# Altium PCB MB1397.PcbDoc (part 2 of 11)
Units mm, origin at the board's own origin, x right, y up, seen from the top; angles counter-clockwise.
Board outline 118.24 x 172.86 mm, 6 copper layers (Top Layer, L2_GND, L3_VCC, L4_SIG, L5_GND, Bottom Layer), stack 1.631 mm thick; 819 components, 632 nets, 2875 pads, 1523 vias.
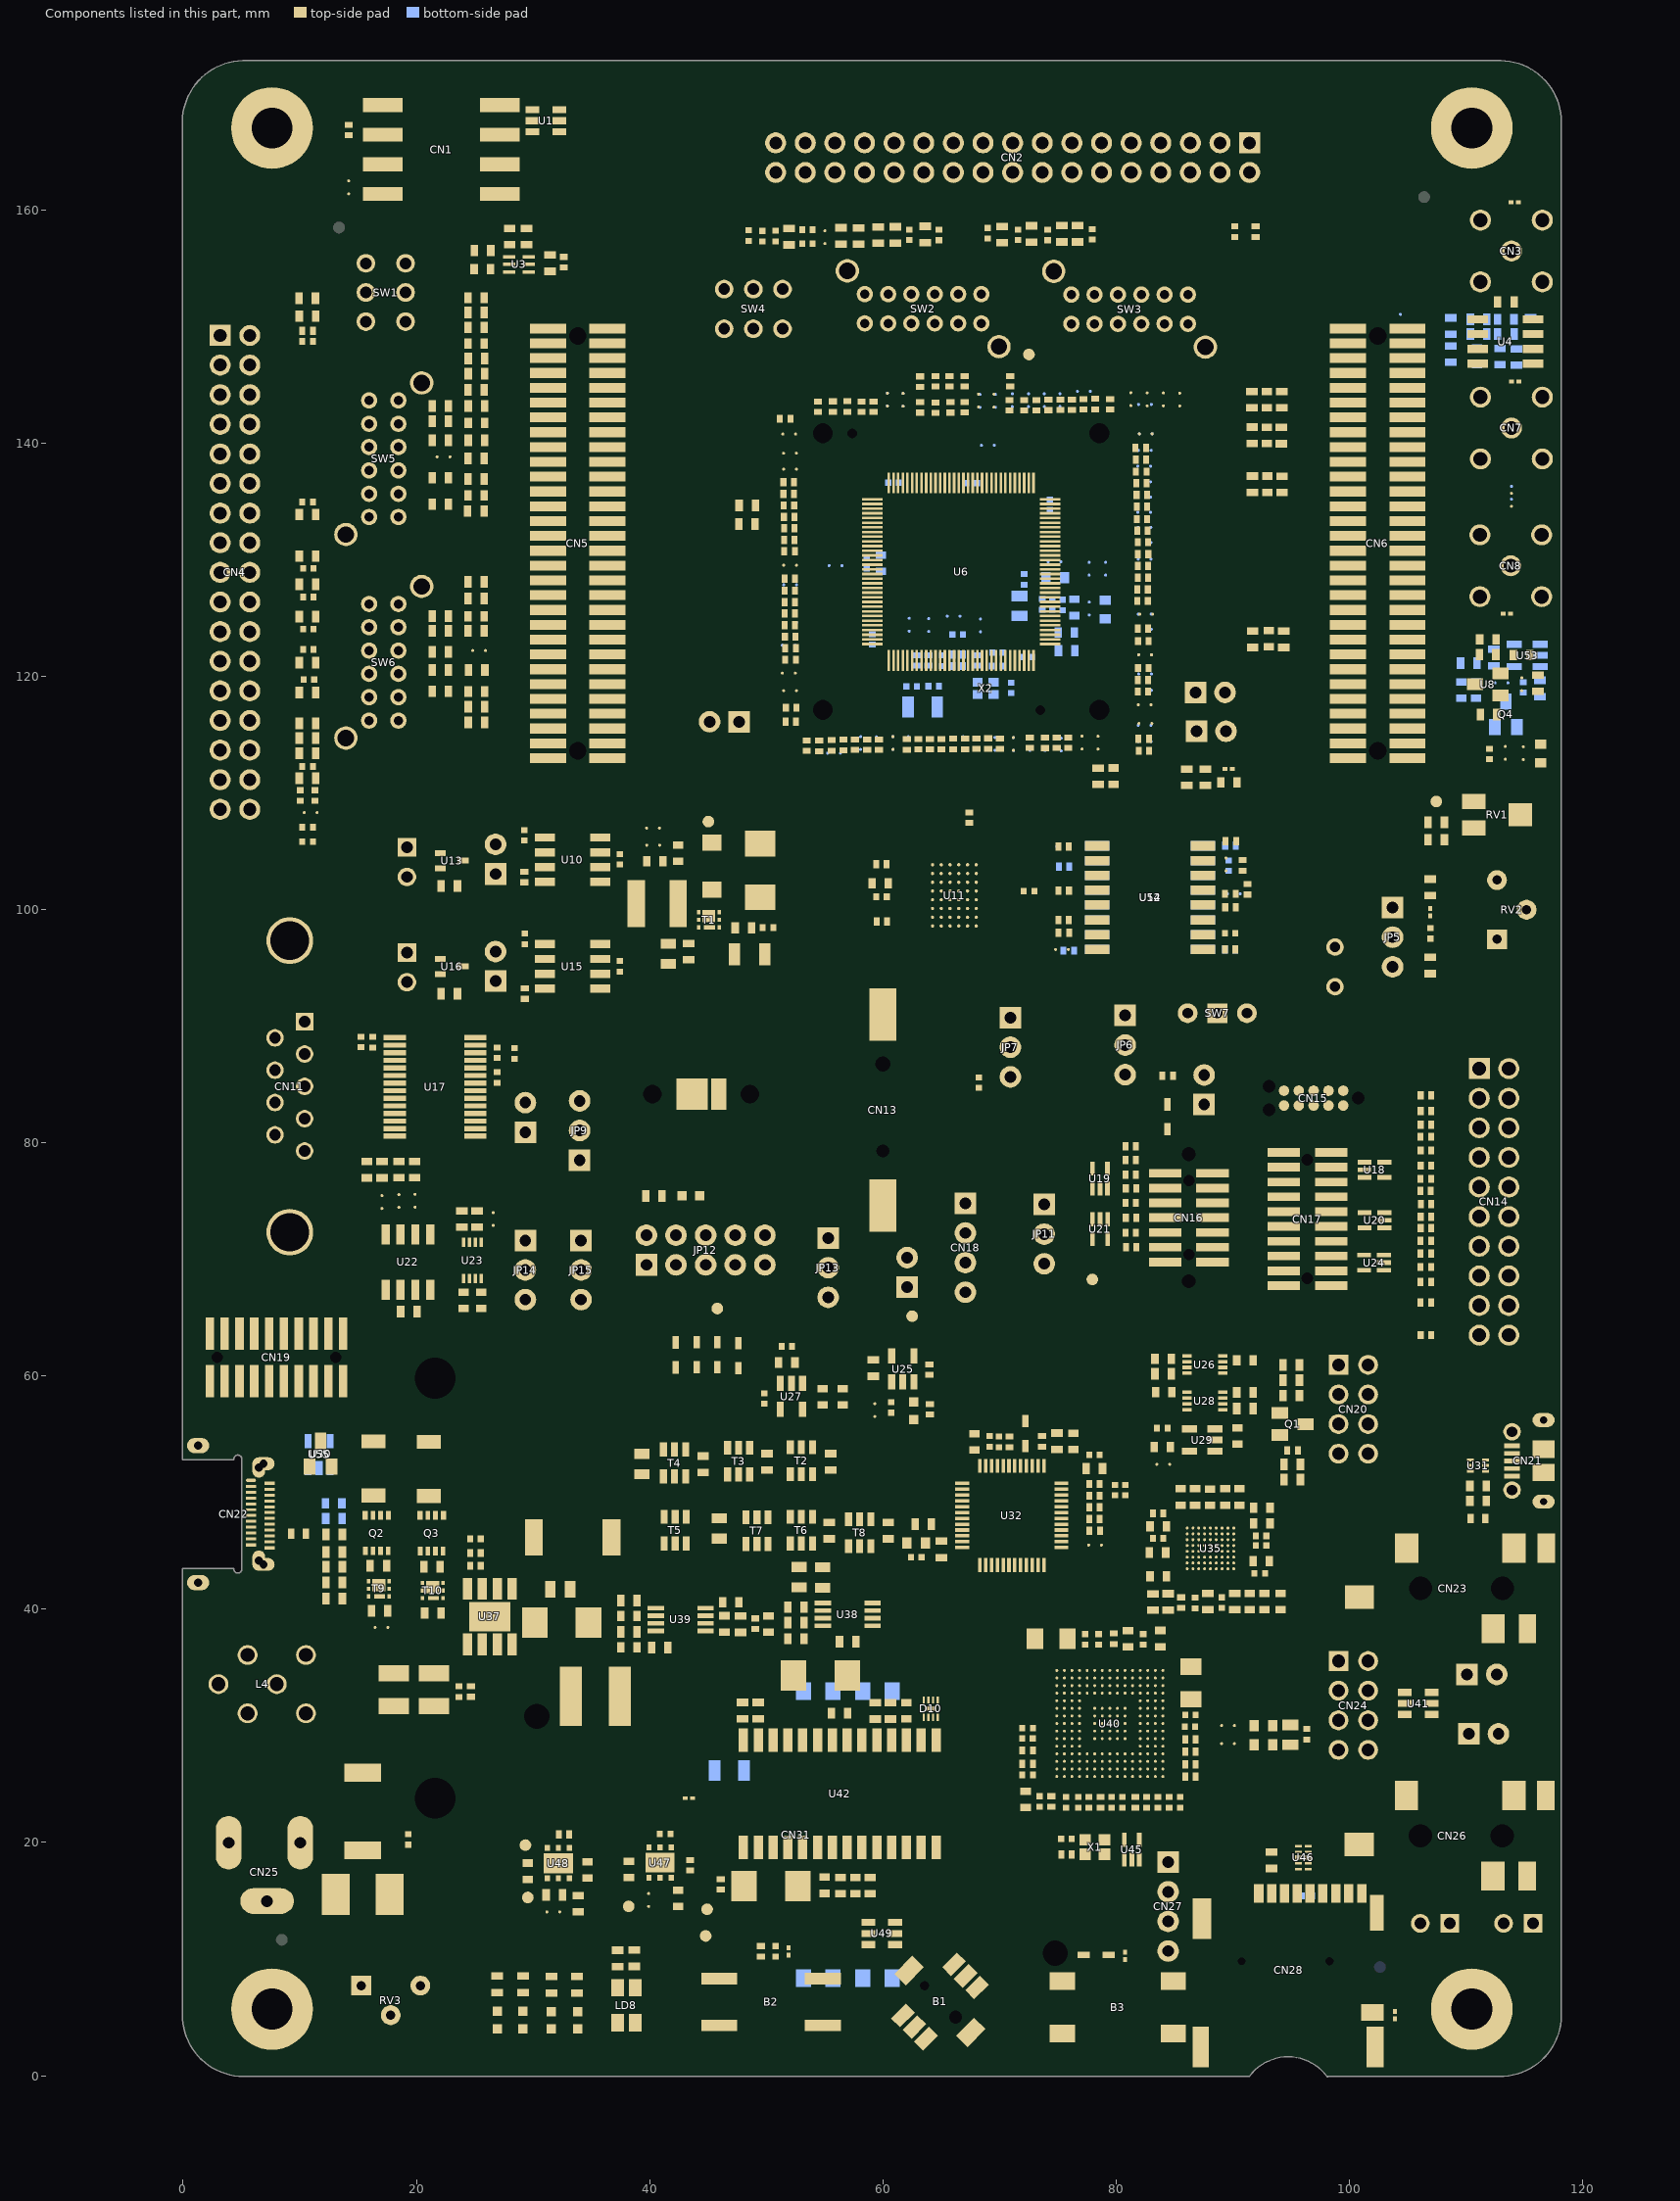
[diagram p6: the components of this part, seen from the top]

## Components (designator, comment, footprint, x,y, rotation, side; value= is the part's Value field where it differs from the comment) (continued)
SB27 "SB_ON" SOLDER-BRIDGE_R0603-0R 78.435,114.254 r90 top
SB28 "SB_ON" SOLDER-BRIDGE_R0603-0R 60.858,114.224 r90 top
SB29 "SB_ON" SOLDER-BRIDGE_R0603-0R 71.179,114.152 r90 top
SB30 "SB_OFF" SOLDER-BRIDGE_R0603-0R 113.365,113.379 r90 top
SB31 "SB_ON" SOLDER-BRIDGE_R0603-0R 114.907,113.36 r90 top
SB32 "SB_OFF" SOLDER-BRIDGE_R0603-0R 10.885,108.312 r0 top
SB33 "SB_ON" SOLDER-BRIDGE_R0603-0R 40.342,106.977 r180 top
SB34 "SB_ON" SOLDER-BRIDGE_R0603-0R 40.35,105.518 r180 top
SB35 "SB_ON" SOLDER-BRIDGE_R0603-0R 89.418,103.912 r270 top
SB36 "SB_OFF" SOLDER-BRIDGE_R0603-0R 75.301,96.572 r0 top
SB37 "SB_OFF" SOLDER-BRIDGE_R0603-0R 19.88,74.977 r90 top
SB38 "SB_OFF" SOLDER-BRIDGE_R0603-0R 17.044,74.962 r270 top
SB39 "SB_OFF" SOLDER-BRIDGE_R0603-0R 18.501,74.957 r90 top
SB40 "SB_ON" SOLDER-BRIDGE_R0603-0R 26.579,73.512 r270 top
SB41 "SB_ON" SOLDER-BRIDGE_R0603-0R 59.306,57.116 r270 top
SB42 "SB_ON" SOLDER-BRIDGE_R0603-0R 84.083,52.433 r180 top
SB43 "SB_ON" SOLDER-BRIDGE_R0603-0R 78.14,45.502 r0 top
SB44 "SB_ON" SOLDER-BRIDGE_R0603-0R 17.048,38.439 r180 top
SB45 "SB_OFF" SOLDER-BRIDGE_R0603-0R 89.535,30.023 r0 top
SB46 "SB_ON" SOLDER-BRIDGE_R0603-0R 89.535,28.473 r0 top
SB47 "SB_ON" SOLDER-BRIDGE_R0603-0R 39.912,15.117 r270 top
SB48 "SB_ON" SOLDER-BRIDGE_R0603-0R 31.687,14.05 r0 top
SB49 "SB_OFF" SOLDER-BRIDGE_R0603-0R 104.369,150.535 r270 bottom
SB50 "SB_OFF" SOLDER-BRIDGE_R0603-0R 99.795,150.035 r180 bottom
SB51 "SB_OFF" SOLDER-BRIDGE_R0603-0R 31.285,149.811 r0 bottom
SB52 "SB_OFF" SOLDER-BRIDGE_R0603-0R 31.285,145.999 r0 bottom
SB53 "SB_OFF" SOLDER-BRIDGE_R0603-0R 60.376,143.78 r270 bottom
SB54 "SB_OFF" SOLDER-BRIDGE_R0603-0R 61.721,143.751 r270 bottom
SB55 "SB_OFF" SOLDER-BRIDGE_R0603-0R 77.27,144.424 r180 bottom
SB56 "SB_OFF" SOLDER-BRIDGE_R0603-0R 75.183,143.723 r270 bottom
SB57 "SB_OFF" SOLDER-BRIDGE_R0603-0R 73.831,143.716 r270 bottom
SB58 "SB_OFF" SOLDER-BRIDGE_R0603-0R 72.479,143.716 r270 bottom
SB59 "SB_OFF" SOLDER-BRIDGE_R0603-0R 71.096,143.716 r270 bottom
SB60 "SB_OFF" SOLDER-BRIDGE_R0603-0R 69.647,143.664 r270 bottom
SB61 "SB_OFF" SOLDER-BRIDGE_R0603-0R 68.328,143.664 r270 bottom
SB62 "SB_OFF" SOLDER-BRIDGE_R0603-0R 36.449,143.637 r0 bottom
SB63 "SB_OFF" SOLDER-BRIDGE_R0603-0R 82.514,143.307 r180 bottom
SB64 "SB_OFF" SOLDER-BRIDGE_R0603-0R 31.371,142.24 r0 bottom
SB65 "SB_OFF" SOLDER-BRIDGE_R0603-0R 104.275,141.521 r270 bottom
SB66 "SB_OFF" SOLDER-BRIDGE_R0603-0R 36.448,142.113 r0 bottom
SB67 "SB_OFF" SOLDER-BRIDGE_R0603-0R 99.792,141.145 r180 bottom
SB68 "SB_OFF" SOLDER-BRIDGE_R0603-0R 31.343,140.891 r0 bottom
SB69 "SB_OFF" SOLDER-BRIDGE_R0603-0R 82.578,140.788 r180 bottom
SB70 "SB_OFF" SOLDER-BRIDGE_R0603-0R 68.941,139.802 r0 bottom
SB71 "SB_OFF" SOLDER-BRIDGE_R0603-0R 99.865,139.649 r0 bottom
SB72 "SB_OFF" SOLDER-BRIDGE_R0603-0R 82.499,139.37 r180 bottom
SB73 "SB_OFF" SOLDER-BRIDGE_R0603-0R 82.449,138.016 r180 bottom
SB74 "SB_OFF" SOLDER-BRIDGE_R0603-0R 82.445,136.679 r180 bottom
SB75 "SB_ON" SOLDER-BRIDGE_R0603-0R 113.891,135.677 r90 bottom
SB76 "SB_OFF" SOLDER-BRIDGE_R0603-0R 82.45,135.357 r180 bottom
SB77 "SB_OFF" SOLDER-BRIDGE_R0603-0R 82.449,134.061 r180 bottom
SB78 "SB_OFF" SOLDER-BRIDGE_R0603-0R 82.467,132.766 r180 bottom
SB79 "SB_OFF" SOLDER-BRIDGE_R0603-0R 82.467,131.47 r180 bottom
SB80 "SB_OFF" SOLDER-BRIDGE_R0603-0R 105.002,130.858 r180 bottom
SB81 "SB_OFF" SOLDER-BRIDGE_R0603-0R 68.351,124.411 r270 bottom
SB82 "SB_OFF" SOLDER-BRIDGE_R0603-0R 66.107,125.146 r180 bottom
SB83 "SB_OFF" SOLDER-BRIDGE_R0603-0R 82.479,130.046 r180 bottom
SB84 "SB_ON" SOLDER-BRIDGE_R0603-0R 79.096,129.167 r90 bottom
SB85 "SB_OFF" SOLDER-BRIDGE_R0603-0R 77.673,129.167 r90 bottom
SB86 "SB_OFF" SOLDER-BRIDGE_R0603-0R 74.762,129.809 r180 bottom
SB87 "SB_OFF" SOLDER-BRIDGE_R0603-0R 63.929,124.437 r270 bottom
SB88 "SB_OFF" SOLDER-BRIDGE_R0603-0R 62.255,124.368 r90 bottom
SB89 "SB_OFF" SOLDER-BRIDGE_R0603-0R 51.997,127.838 r0 bottom
SB90 "SB_OFF" SOLDER-BRIDGE_R0603-0R 77.679,125.755 r90 bottom
SB91 "SB_OFF" SOLDER-BRIDGE_R0603-0R 82.498,125.324 r180 bottom
SB92 "SB_OFF" SOLDER-BRIDGE_R0603-0R 51.994,124.612 r0 bottom
SB93 "SB_OFF" SOLDER-BRIDGE_R0603-0R 99.955,124.536 r180 bottom
SB94 "SB_OFF" SOLDER-BRIDGE_R0603-0R 82.507,124.028 r180 bottom
SB95 "SB_OFF" SOLDER-BRIDGE_R0603-0R 104.875,123.111 r180 bottom
SB96 "SB_ON" SOLDER-BRIDGE_R0603-0R 51.972,122.657 r180 bottom
SB97 "SB_OFF" SOLDER-BRIDGE_R0603-0R 31.375,122.125 r0 bottom
SB98 "SB_OFF" SOLDER-BRIDGE_R0603-0R 99.921,121.971 r180 bottom
SB99 "SB_OFF" SOLDER-BRIDGE_R0603-0R 36.398,121.895 r0 bottom
SB100 "SB_OFF" SOLDER-BRIDGE_R0603-0R 82.522,121.841 r180 bottom
SB101 "SB_OFF" SOLDER-BRIDGE_R0603-0R 82.522,120.19 r180 bottom
SB102 "SB_OFF" SOLDER-BRIDGE_R0603-0R 112.983,119.428 r0 bottom
SB103 "SB_OFF" SOLDER-BRIDGE_R0603-0R 36.296,119.304 r0 bottom
SB104 "SB_OFF" SOLDER-BRIDGE_R0603-0R 82.522,118.793 r180 bottom
SB105 "SB_OFF" SOLDER-BRIDGE_R0603-0R 82.474,115.789 r180 bottom
SB106 "SB_OFF" SOLDER-BRIDGE_R0603-0R 104.965,115.521 r180 bottom
SB107 "SB_ON" SOLDER-BRIDGE_R0603-0R 60.858,114.224 r90 bottom
SB108 "SB_OFF" SOLDER-BRIDGE_R0603-0R 66.878,114.215 r90 bottom
SB109 "SB_OFF" SOLDER-BRIDGE_R0603-0R 62.186,114.215 r90 bottom
SB110 "SB_ON" SOLDER-BRIDGE_R0603-0R 58.09,114.213 r90 bottom
SB111 "SB_ON" SOLDER-BRIDGE_R0603-0R 59.446,114.203 r90 bottom
SB112 "SB_OFF" SOLDER-BRIDGE_R0603-0R 69.604,114.157 r90 bottom
SB113 "SB_OFF" SOLDER-BRIDGE_R0603-0R 72.603,114.15 r90 bottom
SB114 "SB_OFF" SOLDER-BRIDGE_R0603-0R 73.889,114.138 r90 bottom
SB115 "SB_OFF" SOLDER-BRIDGE_R0603-0R 71.196,114.136 r90 bottom
SB116 "SB_OFF" SOLDER-BRIDGE_R0603-0R 75.283,114.096 r90 bottom
SB117 "SB_OFF" SOLDER-BRIDGE_R0603-0R 82.489,114.387 r180 bottom
SB118 "SB_OFF" SOLDER-BRIDGE_R0603-0R 55.753,113.411 r0 bottom
SB119 "SB_ON" SOLDER-BRIDGE_R0603-0R 75.497,105.408 r180 bottom
SB120 "SB_OFF" SOLDER-BRIDGE_R0603-0R 90.135,101.349 r180 bottom
SB121 "SB_ON" SOLDER-BRIDGE_R0603-0R 7.338,63.548 r90 bottom
SB122 "SB_ON" SOLDER-BRIDGE_R0603-0R 7.62,59.881 r90 bottom
SB123 "SB_ON" SOLDER-BRIDGE_R0603-0R 55.88,129.487 r0 bottom
SW1 "SWITCH_MS-22D16" SWI_DHS-ELECTRONICS_MS-22D16_2P2T 17.367,152.907 r270 top
SW2 "SWITCH_SS42D02" SWI_DHS-ELECTRONICS_SS42D02_4P2T 63.446,151.512 r0 top
SW3 "SWITCH_SS42D02" SWI_DHS-ELECTRONICS_SS42D02_4P2T 81.146,151.472 r0 top
SW4 "SWITCH_MS-22D16" SWI_DHS-ELECTRONICS_MS-22D16_2P2T 48.889,151.492 r0 top
SW5 "SWITCH_SS42D02" SWI_DHS-ELECTRONICS_SS42D02_4P2T 17.2,138.65 r90 top
SW6 "SWITCH_SS42D02" SWI_DHS-ELECTRONICS_SS42D02_4P2T 17.201,121.202 r90 top
SW7 "SW_MECA_1K2" SWI_EAO_09-03290-01_EXTENDED_STRAIGHT_BLACK 88.666,91.107 r90 top
T1 "STL6N2VH5" MOS_POWERFLAT_2X2_P065 45.075,99.114 r270 top
T2 "STT7P2UH7" MOS_SOT23-6L 53.001,52.734 r0 top
T3 "STT7P2UH7" MOS_SOT23-6L 47.625,52.705 r0 top
T4 "STT7P2UH7" MOS_SOT23-6L 42.126,52.539 r0 top
T5 "STT7P2UH7" MOS_SOT23-6L 42.184,46.78 r0 top
T6 "STT7P2UH7" MOS_SOT23-6L 53.007,46.777 r0 top
T7 "STT7P2UH7" MOS_SOT23-6L 49.2,46.735 r0 top
T8 "STT7P2UH7" MOS_SOT23-6L 58.001,46.559 r0 top
T9 "STL6N2VH5" MOS_POWERFLAT_2X2_P065 16.789,41.758 r270 top
T10 "STL6N2VH5" MOS_POWERFLAT_2X2_P065 21.408,41.613 r270 top
TP1 "Test Point" TP_SMD_1MM 72.517,147.588 r90 top
TP2 "Test Point" TP_SMD_1MM 107.442,109.258 r180 top
TP3 "Test Point" TP_SMD_1MM 45.028,107.536 r270 top
TP4 "Test Point" TP_SMD_1MM 77.948,68.278 r270 top
TP5 "Test Point" TP_SMD_1MM 45.799,65.786 r180 top
TP6 "Test Point" TP_SMD_1MM 62.503,65.125 r270 top
TP7 "Test Point" TP_SMD_1MM 29.35,19.774 r0 top
TP8 "Test Point" TP_SMD_1MM 29.55,15.284 r0 top
TP9 "Test Point" TP_SMD_1MM 38.199,14.526 r180 top
TP10 "Test Point" TP_SMD_1MM 44.93,14.272 r270 top
TP11 "Test Point" TP_SMD_1MM 44.803,11.986 r270 top
U1 "USBLC6-2SC6" ESD_SOT23-6L 31.097,167.627 r90 top
U2 "ESD-TRANSIL-BIDIR" ESD_ST0201 114.173,160.655 r0 top
U3 "STTS751-0DP3F" ICC_UDFN6_2X2_P065 28.782,155.321 r270 top
U4 "TSH82IDT" ICC_SO8_5X4_P127 113.36,148.702 r90 top
U5 "ESD-TRANSIL-BIDIR" ESD_ST0201 114.195,145.288 r0 top
U6 "​Please validate the IC position on the socket (pin1) not mention on the datasheet. / Eric: please add pin1 outside of socket to show MCU Pin1" ICC_LQFP128_14X14_P040_SOCKET_IRONWOOD_SG-QFE-7011MF 66.703,128.966 r90 top locked
U7 "ESD-TRANSIL-BIDIR" ESD_ST0201 113.503,125.349 r180 top
U8 "TS432AILT" ICC_SOT23-3L_H1P12 111.859,119.301 r90 top
U9 "ESD-TRANSIL" ESD_ST0201 89.634,112.042 r0 top
U10 "MCP2562FD" ICC_SO8_5X4_P127 33.386,104.266 r90 top
U11 "IS61WV51216BLL-10MLI" ICC_MINI-BGA48_9X11_P075 66.124,101.21 r180 top locked
U12 "MT25QL512ABB8ESF-0SIT" ICC_SOP2-SF_16P_10P3X7P5_P127 82.904,101.014 r90 top
U13 "ESD-TRANSIL-DUAL-BIDIR" DIO_SOT323 23.024,104.185 r270 top
U14 "ESD-TRANSIL" ESD_ST0201 106.934,99.772 r90 top
U15 "MCP2562FD" ICC_SO8_5X4_P127 33.386,95.124 r90 top
U16 "ESD-TRANSIL-DUAL-BIDIR" DIO_SOT323 23.023,95.124 r270 top
U17 "ST3241EBPR" ICC_SSOP28_10P2X5P3_P065 21.59,84.788 r270 top
U18 "ESDALC6V1W5" ESD_SOT323-5L 102.137,77.676 r270 top
U19 "ESDALC6V1W5" ESD_SOT323-5L 78.606,76.927 r0 top
U20 "ESDALC6V1W5" ESD_SOT323-5L 102.141,73.358 r90 top
U21 "ESDALC6V1W5" ESD_SOT323-5L 78.613,72.596 r180 top
U22 "ST3485EBDR" ICC_SO8_5X4_P127 19.272,69.766 r0 top
U23 "SN74LVC2T45DCUT" ICC_VSSOP8_DCU_R-PDSO-G8_2X2P30_P050 24.801,69.922 r180 top
U24 "ESDALC6V1W5" ESD_SOT323-5L 102.108,69.719 r90 top
U25 "STMPS2151STR" MOS_SOT23-5L 61.703,60.606 r0 top
U26 "SN74LVC2T45DCUT" ICC_VSSOP8_DCU_R-PDSO-G8_2X2P30_P050 87.601,60.985 r270 top
U27 "LD3985M33R" REG_SOT23-5L 52.154,58.252 r180 top
U28 "SN74LVC2T45DCUT" ICC_VSSOP8_DCU_R-PDSO-G8_2X2P30_P050 87.602,57.866 r270 top
U29 "LD3985M18R" REG_SOT23-5L 87.364,54.509 r90 top
U30 "ESDAxxL" ESD_SOT23 11.783,53.34 r0 top
U31 "ECMF02-2AMX6" ESD_QFN-6L_1P7X1P5_P050 111.004,52.316 r270 top
U32 "STM32L152CCT6" ICC_LQFP48_7X7_P050 71.057,48.042 r180 top
U33 "ESD-TRANSIL" DIO_SMC_DO214-AB_1K_2A 33.401,46.162 r180 top
U34 "ESD-TRANSIL" ESD_QFN2_1P6X1_P125 111.027,47.778 r180 top
U35 "WM8994ECS/R" ICC_W-CSP-BGA72_4P511X4P023_P050 88.077,45.216 r0 top
U36 "ESD-TRANSIL" ESD_QFN1610_2N_1K_2A 9.906,46.482 r0 top
U37 "ST1S41" ICC_HSOP8-EPAD_3P90X4P90_P127 26.289,39.361 r270 top
U38 "TSZ122IST" ICC_MINISO8_3X3_P065 56.973,39.565 r270 top
U39 "TSZ122IST" ICC_MINISO8_3X3_P065 42.655,39.115 r90 top
U40 "ST-LINKV3E_SWD" ICC_UFBGA201_176+25_10X10_P065 79.455,30.203 r90 top locked
U41 "ESDA6V1BC6" ESD_SOT23-6L 105.89,31.925 r270 top
U42 "ST8024CTR" ICC_SO28_18P10X7P60_P127 56.298,24.175 r0 top
U43 "ESD-TRANSIL" DIO_SMC_DO214-AB_1K_2A 15.397,22.649 r90 top
U44 "ESD-TRANSIL" ESD_ST0201 43.355,23.8 r0 top
U45 "ESDALC6V1W5" ESD_SOT323-5L 81.336,19.386 r0 top
U46 "HSP051-4M10" ESD_UQFN-10L_2P5X1_P050 96.042,18.699 r90 top
U47 "ST1L05CPU33R" ICC_DFN6-EPAD_3X3_P095 40.892,18.277 r180 top
U48 "ST1L05BPUR" ICC_DFN6-EPAD_3X3_P095 32.166,18.224 r180 top
U49 "ESDA6V1-5SC6" ESD_SOT23-6L 59.899,12.192 r90 top
U50 "ESD-TRANSIL" ESD_ST0201 51.914,10.668 r90 top
U51 "ESD-TRANSIL" ESD_ST0201 80.767,10.27 r90 top
U52 "ESD-TRANSIL" ESD_ST0201 103.886,5.207 r90 top
U53 "TL1431ACL5T" ICC_SOT23-5L_H1P45 115.241,121.793 r270 bottom
U54 "MT25QL512ABB8ESF-0SIT" ICC_SOP2-SF_16P_10P3X7P5_P127 82.904,101.014 r270 bottom
U55 "USBLC6-2SC6" ESD_SOT23-6L 11.656,53.261 r0 bottom
X1 "OSCILLATOR_4_PINS" OSC_NDK_NZ2520SB_4P 78.163,19.606 r0 top
X2 "XTAL_4_PINS" CRY_NX2016SA_4P 68.809,118.974 r180 bottom
X3 "XTAL_2_PINS" CRY_NX3215SA_2P 63.403,117.376 r180 bottom

## Footprints (in the part's own frame and the unit in brackets; to place one, negate y for a bottom-side part, rotate by r counter-clockwise, add the part's x,y. Pads: shape width x height; smd on the part's side, far side on the other; paste and mask are expansions set on the pad)
BAT_HARWIN_S8411-45R_SMD_2P [mm] "CR1220 HOLDER"
  rect 4.5x2.3 smd mask+0.05: 1(8.2,0) 2(-8.2,0)
  round 0 hole 1.1 unplated mask+0.05: NPTH1(-3.5,0)
  round 0 hole 1.3 unplated mask+0.05: NPTH2(3.95,0)
  silkscreen extent -9.03,-7.5 9.62,7.5, body extent -8.93,-7.5 9.88,7.5, height 4.31
C0402 [mm]
  rect 0.51x0.56 smd mask+0.05: 1(-0.45,0) 2(0.45,0)
  silkscreen extent -0.72,-0.35 0.72,0.35, body extent -0.5,-0.3 0.5,0.3, height 0.4
C0603 [mm]
  rect 0.64x0.89 smd mask+0.05: 1(-0.7,0) 2(0.7,0)
  silkscreen extent -1.05,-0.55 1.02,0.55, body extent -0.9,-0.5 0.9,0.5, height 1.4
C0805 [mm]
  rect 0.9x1.4 smd mask+0.05: 1(-0.85,0) 2(0.85,0)
  silkscreen extent -1.3,-0.77 1.3,0.77, body extent -1.1,-0.7 1.1,0.7, height 1.35
C1206_H1P15 [mm]
  rect 1.4x1.78 smd mask+0.05: 1(-1.4,0) 2(1.4,0)
  silkscreen extent -2.12,-0.97 2.15,0.97, body extent -1.7,-0.9 1.7,0.9, height 1.35
C1210 [mm]
  rect 1.4x2.6 smd mask+0.05: 1(-1.4,0) 2(1.4,0)
  silkscreen extent -2.1,-1.43 2.1,1.43, body extent -1.75,-1.35 1.75,1.35, height 2.5
CON_988-JIUBABA_PHFS25-11-02-G0B115-T-1 [mm]
  rect 1.6x1.6 hole 1 mask+0.05: 1(1.27,0)
  round 1.6 hole 1 mask+0.05: 2(-1.27,0)
  silkscreen extent -2.71,-1.33 2.71,1.33, body extent -2.71,-1.33 2.71,1.33, height 8.85
CON_CARD-SOCKET_GUANG-LIAN-WEI_2480-208-503-100-RC [mm]
  rect 1.5x1.3 smd mask+0.05: C1(-12.3,-3.81) C2(-12.3,-1.27) C3(-12.3,1.27) C4(-12.3,3.81) C5(12.3,-3.81) C6(12.3,-1.27) C7(12.3,1.27) C8(12.3,3.81)
  round 0 hole 2.15 unplated mask+0.05: NPTH1(-10.16,26.67) NPTH2(10.16,-17.78)
  rect 1.75x1 smd mask+0.05: S1(-5.5,8.89) S2(-5.5,11.43)
  silkscreen extent -16.96,-24.89 14.14,31.11, body extent -16.96,-24.89 14.14,31.11, height 3.86
CON_CVILUX_CH87-20-2-V-1-00 [mm]
  rect 1.8x1.8 hole 1.2 mask+0.05: 1(-11.43,-1.27)
  round 1.8 hole 1.2 mask+0.05: 2(-11.43,1.27) 3(-8.89,-1.27) 4(-8.89,1.27) 5(-6.35,-1.27) 6(-6.35,1.27) 7(-3.81,-1.27) 8(-3.81,1.27) 9(-1.27,-1.27) 10(-1.27,1.27) 11(1.27,-1.27) 12(1.27,1.27) 13(3.81,-1.27) 14(3.81,1.27) 15(6.35,-1.27) 16(6.35,1.27) 17(8.89,-1.27) 18(8.89,1.27) 19(11.43,-1.27) 20(11.43,1.27)
  silkscreen extent -16.51,-4.55 16.51,4.55, body extent -16.51,-4.57 16.51,4.57, height 9.86
CON_DB9-MALE_TYCO_3-1634580-2 [mm]
  rect 1.5x1.5 / inner round 1.5 / far side rect 1.5x1.5 hole 1 mask+0.05: 1(-5.54,8.77)
  round 1.5 hole 1 mask+0.05: 2(-2.77,8.77) 3(0,8.77) 4(2.77,8.77) 5(5.54,8.77) 6(-4.155,6.23) 7(-1.385,6.23) 8(1.385,6.23) 9(4.155,6.23)
  round 4 hole 3.3 mask+0.05: MT1(-12.5,7.5) MT2(12.5,7.5)
  silkscreen extent -15.5,-10.3 15.5,10.6, body extent -15.5,-10.3 15.5,10.6, height 13.8
CON_DC-POWER-SOCKET_CLIFF_FC68149_DC10B [mm]
  oval 2.2x4.6 hole 1 slot 3.5 at 90 deg mask+0.05: 1(-13.55,0) 3(-7.4,0)
  oval 4.6x2.2 hole 1 slot 3.5 at 0 deg mask+0.05: 2(-10.7,5)
  silkscreen extent -14.2,-4.6 0,4.6, body extent -14.3,-4.6 0.2,5.27, height 11
CON_JACK-RIGHT-ANGLE_YJ-ELECTRONIC_SMB-ZJWE-3 [mm]
  round 1.8 hole 1.2 mask+0.05: 1(0,0) 2(-2.65,2.65) 3(2.65,2.65) 4(2.65,-2.65) 5(-2.65,-2.65)
  silkscreen extent -3.5,-3.5 10.7,3.5, body extent -3.5,-3.5 10.7,3.5, height 9
CON_MICROSD_YAMAICHI_PJS008-2003-1 [mm] "WITH POSITIONNING PINS"
  rect 1.6x0.8 smd paste+0 mask+0.05: 1(-15.6,-2.525) 2(-15.6,-1.425) 3(-15.6,-0.325) 4(-15.6,0.775) 5(-15.6,1.875) 6(-15.6,2.975) 7(-15.6,4.075) 8(-15.6,5.175) 9(-15.6,6.325)
  rect 1.4x1.95 smd paste+0 mask+0.05: 10(-5.4,7.225)
  rect 3.5x1.5 smd paste+0 mask+0.05: 11(-2.45,7.45)
  rect 3.5x1.4 smd paste+0 mask+0.05: 12(-2.45,-7.5)
  rect 3.5x1.6 smd paste+0 mask+0.05: 13(-13.45,-7.4)
  rect 3.1x1.2 smd paste+0 mask+0.05: 14(-13.95,7.6)
  round 0 hole 0.65 unplated mask+0.05: NPTH1(-9.8,-4)
  round 0 hole 0.7 unplated mask+0.05: NPTH2(-9.8,3.55)
  silkscreen extent -15.32,-7.25 5.65,7.25, body extent -15.04,-7.18 -0.84,7.42, height 2
CON_PHONE-JACK-3P5_HY_PJ3028B [mm]
  rect 1.5x2.5 smd mask+0.05: 2(1.25,-3.45) 7(2.85,3.45)
  rect 2x2.5 smd mask+0.05: 3(4,-3.45) 4(5.8,3.45) 6(13.2,-3.45)
  rect 2.5x2 smd mask+0.05: 5(17.25,0.75)
  round 0.5 hole 2 unplated mask+0.1: MT1(5,0) MT2(12,0)
  Multi-Layer keep-out circle w0.01: c12,0 r1.25
  Multi-Layer keep-out circle w0.01: c5,0 r1.25
  silkscreen extent -0.9,-3.7 16,3, body extent -0.9,-3 16,3, height 5
CON_SAMTEC_FTR-130-53-L-D-LC [mm]
  rect 0.85x3.1 smd mask+0.05: 1(-18.415,-2.55) 2(-18.415,2.55) 3(-17.145,-2.55) 4(-17.145,2.55) 5(-15.875,-2.55) 6(-15.875,2.55) 7(-14.605,-2.55) 8(-14.605,2.55) 9(-13.335,-2.55) 10(-13.335,2.55) 11(-12.065,-2.55) 12(-12.065,2.55) 13(-10.795,-2.55) 14(-10.795,2.55) 15(-9.525,-2.55) 16(-9.525,2.55) 17(-8.255,-2.55) 18(-8.255,2.55) 19(-6.985,-2.55) 20(-6.985,2.55) 21(-5.715,-2.55) 22(-5.715,2.55) 23(-4.445,-2.55) 24(-4.445,2.55) 25(-3.175,-2.55) 26(-3.175,2.55) 27(-1.905,-2.55) 28(-1.905,2.55) 29(-0.635,-2.55) 30(-0.635,2.55) 31(0.635,-2.55) 32(0.635,2.55) 33(1.905,-2.55) 34(1.905,2.55) 35(3.175,-2.55) 36(3.175,2.55) 37(4.445,-2.55) 38(4.445,2.55) 39(5.715,-2.55) 40(5.715,2.55) 41(6.985,-2.55) 42(6.985,2.55) 43(8.255,-2.55) 44(8.255,2.55) 45(9.525,-2.55) 46(9.525,2.55) 47(10.795,-2.55) 48(10.795,2.55) 49(12.065,-2.55) 50(12.065,2.55) 51(13.335,-2.55) 52(13.335,2.55) 53(14.605,-2.55) 54(14.605,2.55) 55(15.875,-2.55) 56(15.875,2.55) 57(17.145,-2.55) 58(17.145,2.55) 59(18.415,-2.55) 60(18.415,2.55)
  round 0 hole 1.5 unplated mask+0.05: NPTH1(-17.78,0) NPTH2(17.78,0)
  silkscreen extent -19.05,-2.05 19.05,2.05, body extent -19.05,-3.76 19.05,3.76, height 11.05
CON_SAMTEC_FTSH-110-01-L-DV-A [mm] "MCD-XXXXX"
  round 0 hole 1 unplated mask+0.05: 0(-5.08,0) 0(5.08,0)
  rect 0.74x2.79 smd mask+0.05: 1(-5.715,-2.035) 2(-5.715,2.035) 3(-4.445,-2.035) 4(-4.445,2.035) 5(-3.175,-2.035) 6(-3.175,2.035) 7(-1.905,-2.035) 8(-1.905,2.035) 9(-0.635,-2.035) 10(-0.635,2.035) 11(0.635,-2.035) 12(0.635,2.035) 13(1.905,-2.035) 14(1.905,2.035) 15(3.175,-2.035) 16(3.175,2.035) 17(4.445,-2.035) 18(4.445,2.035) 19(5.715,-2.035) 20(5.715,2.035)
  silkscreen extent -6.35,-1.71 6.35,1.71, body extent -6.35,-2.92 6.35,2.92, height 5.97
CON_SAMTEC_SSM-104-L-DH [mm]
  rect 1.2x3.4 smd mask+0.05: 1(3.81,-5) 2(3.81,5) 3(1.27,-5) 4(1.27,5) 5(-1.27,-5) 6(-1.27,5) 7(-3.81,-5) 8(-3.81,5)
  silkscreen extent -5.08,-4.06 5.08,4.06, body extent -5.06,-5.46 5.1,5.46, height 5.92
CON_SAMTEC_TST-117-01-T-D [mm]
  rect 1.8x1.8 hole 1.1 mask+0.05: 1(-20.32,-1.27)
  round 1.8 hole 1.1 mask+0.05: 2(-20.32,1.27) 3(-17.78,-1.27) 4(-17.78,1.27) 5(-15.24,-1.27) 6(-15.24,1.27) 7(-12.7,-1.27) 8(-12.7,1.27) 9(-10.16,-1.27) 10(-10.16,1.27) 11(-7.62,-1.27) 12(-7.62,1.27) 13(-5.08,-1.27) 14(-5.08,1.27) 15(-2.54,-1.27) 16(-2.54,1.27) 17(0,-1.27) 18(0,1.27) 19(2.54,-1.27) 20(2.54,1.27) 21(5.08,-1.27) 22(5.08,1.27) 23(7.62,-1.27) 24(7.62,1.27) 25(10.16,-1.27) 26(10.16,1.27) 27(12.7,-1.27) 28(12.7,1.27) 29(15.24,-1.27) 30(15.24,1.27) 31(17.78,-1.27) 32(17.78,1.27) 33(20.32,-1.27) 34(20.32,1.27)
  silkscreen extent -25.4,-4.83 25.4,4.83, body extent -25.4,-4.83 25.4,4.83, height 9.27
CON_SAMTEC_TSW-102-07-G-S [mm]
  rect 1.85x1.85 / inner round 1.85 / far side rect 1.85x1.85 hole 1 mask+0.05: 1(-1.27,0)
  round 1.85 hole 1 mask+0.05: 2(1.27,0)
  silkscreen extent -2.58,-1.3 2.58,1.3, body extent -2.67,-1.3 2.58,1.3, height 8.38
CON_SAMTEC_TSW-103-07-F-S [mm]
  rect 1.85x1.85 / inner round 1.85 / far side rect 1.85x1.85 hole 1 mask+0.05: 1(-2.54,0)
  round 1.85 hole 1 mask+0.05: 2(0,0) 3(2.54,0)
  silkscreen extent -3.85,-1.3 3.85,1.3, body extent -3.91,-1.37 3.91,1.37, height 8.38
CON_SAMTEC_TSW-104-07-G-S [mm]
  rect 1.85x1.85 / inner round 1.85 / far side rect 1.85x1.85 hole 1 mask+0.05: 1(-3.81,0)
  round 1.85 hole 1 mask+0.05: 2(-1.27,0) 3(1.27,0) 4(3.81,0)
  silkscreen extent -5.12,-1.3 5.12,1.3, body extent -5.21,-1.37 5.18,1.37, height 8.38
CON_SAMTEC_TSW-105-07-X-D [mm]
  rect 1.85x1.85 / inner round 1.85 / far side rect 1.85x1.85 hole 1 mask+0.05: 1(-5.08,-1.27)
  round 1.85 hole 1 mask+0.05: 2(-5.08,1.27) 3(-2.54,-1.27) 4(-2.54,1.27) 5(0,-1.27) 6(0,1.27) 7(2.54,-1.27) 8(2.54,1.27) 9(5.08,-1.27) 10(5.08,1.27)